# KiCad board M3DU_BoardV3_2.kicad_pcb (continued)
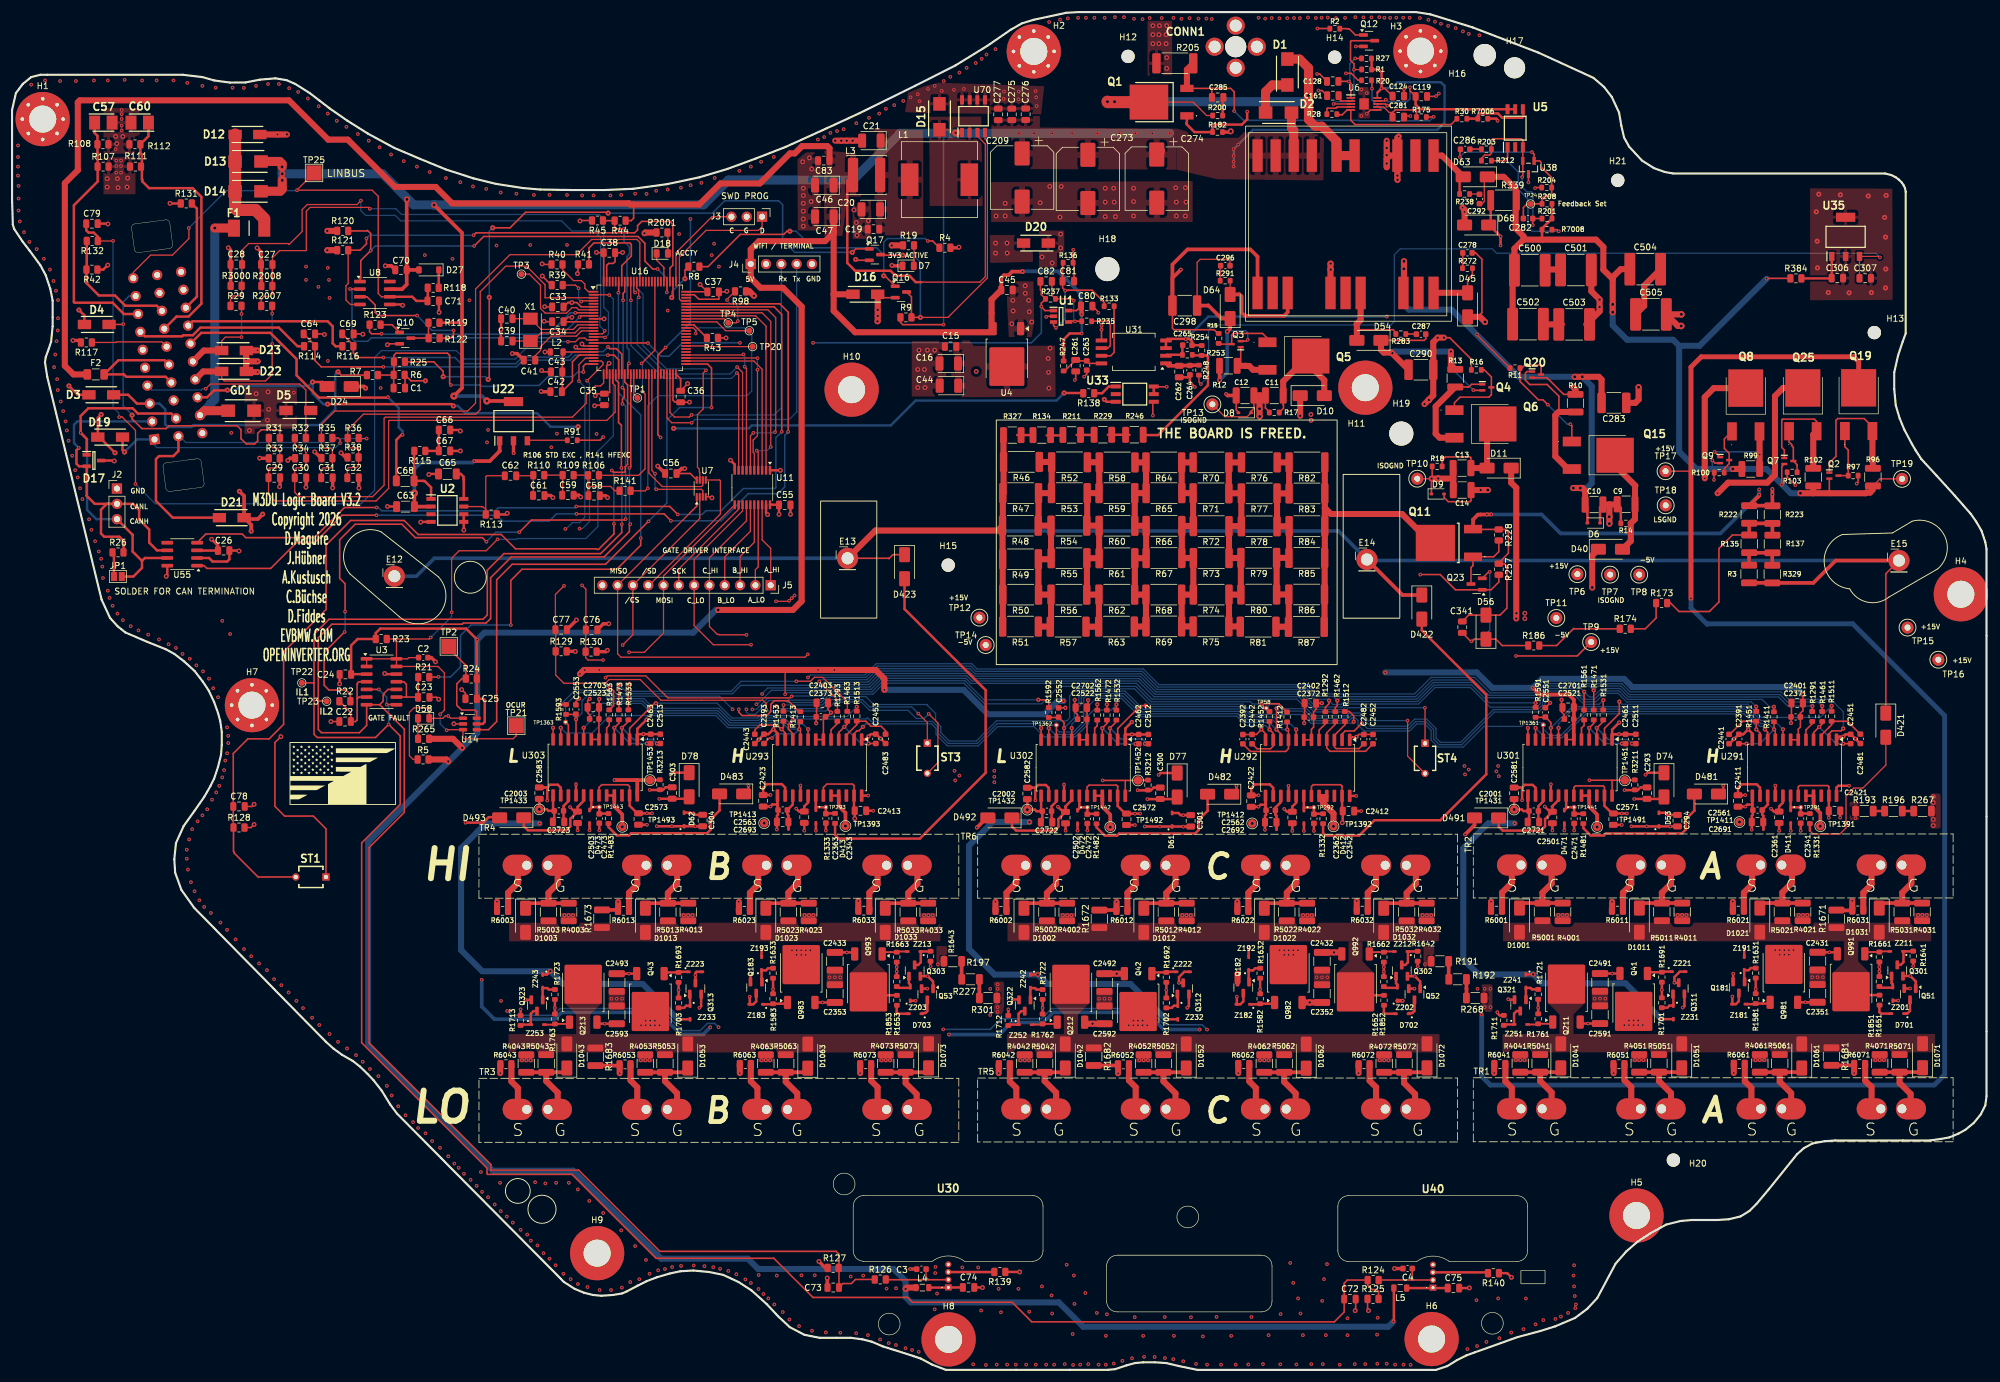
[diagram p0: board, top side]
## Routing (per net, layer and track width the routed paths; a pad name or vN(x,y) marks a point on that pad's centre or on a via; arc(x,y) is an arc through that point) (continued)
+12P: length 40.2
  Top w1.5: GD1.2 31.93,159.25 J1.22 ; v5(33.63,189.57) 36.79,189.57
  Bottom w1.5: v5(33.63,189.57) 33.63,161.12 32.87,160.36 32.87,160.19 J1.22
/ASC_L: length 384.1
  Top w0.25: 188.15,97.88 186.78,97.88 ; 184.71,97.84 U302.24 ; v2(180.95,97.87) 186.77,97.87 ; 268.92,97.9 267.55,97.9 ; 265.48,97.87 U301.24 ; v2(261.72,97.89) 267.54,97.89
  Top w0.4: 107.18,97.93 105.8,97.93
  Top w0.6: U303.24 103.74,97.89 103.71,97.92 v2(99.98,97.92) 105.79,97.92
  In2.Cu w0.25: v2(198.27,56.52) 199.29,55.5 237.77,55.5 239.12,56.85 239.12,87.81 250.5,99.19 260.43,99.19 v2(261.72,97.89) ; v2(82.15,59.6) 81.52,59.6 72.77,68.35 72.77,89.59 82.09,98.91 98.98,98.91 v2(99.98,97.92) ; v2(180.95,97.87) 179.88,98.93 167.97,98.93 157.1,88.06 157.1,59.13 v2(154.51,56.54) 152.99,55.02 119.1,55.02 v2(117.22,56.9)
  Bottom w0.25: v2(117.22,56.9) 116.6,57.52 115.36,57.52 114.16,56.33 111.21,56.33 107.55,59.99 90.91,59.99 89.78,58.87 82.88,58.87 v2(82.15,59.6) ; v2(154.51,56.54) 162.31,56.54 164.08,58.31 170.81,58.31 172.5,59.99 188.5,59.99 191.19,57.3 197.49,57.3 v2(198.27,56.52)
/CANH: length 60.9
  Top w0.4: 21.56,134.31 20,135.86 20,138.64 20.01,138.64 J2.3 ; 21.56,134.31 21.56,133.15 20.13,131.72 JP1.2 ; 21.56,134.31 22.04,134.79 U55.7 ; D17.1 12.38,154.57 v2(11.38,155.57) 11.38,158.37 12.66,159.65 20.01,159.65 20.88,158.77 26.42,158.77 J1.12
  Bottom w0.4: v2(11.38,155.57) 12.46,154.5 12.46,142.77 13.99,141.24 J2.3
/CANL: length 59.4
  Top w0.4: U55.6 24.04,136.06 22.75,137.35 22.75,139.52 21.08,141.2 21.08,142.75 20.05,143.78 J2.2 ; J2.2 13.72,143.78 12.36,145.15 12.38,145.17 D17.2 11.11,150.02 10.68,150.45 10.68,152.67 v2(11.08,153.07) ; J2.2 15.72,143.78 14.76,142.82 14.76,138.85 15.28,138.32 17.81,138.32 18.49,137.63 R26.2
  Bottom w0.4: 23.23,157.47 10.83,157.47 10.28,156.92 10.28,153.87 v2(11.08,153.07)
/GATE_CS: length 310.4
  Top w0.2: v3(262.43,112.83) 262.44,112.83 ; v3(300.33,110.21) 300.33,110.01 ; R1463.2 138.58,110.9 134.49,114.99 133.12,114.99 132.46,114.33 v2(130.13,114.33) ; U7.2 114.11,141.37 J5.10 103.01,122.05 v2(101.31,120.35)
  Top w0.25: v3(219.89,111.12) 219.89,110.31 219.56,109.98 R1462.2 ; 262.44,112.83 R1471.2 ; v3(100.69,113.77) R1473.2 ; 300.33,110.01 R1461.2 ; 181.66,110.39 181.66,109.54
  In1.Cu w0.2: v3(100.69,113.77) 100.71,113.79 100.71,115.02 101.31,115.62 v2(101.31,120.35)
  In1.Cu w0.25: v3(181.66,110.49) 182.34,111.16 202.42,111.16 205.4,108.19 217.43,108.19 219.89,110.64 v3(219.89,111.12)
  Bottom w0.2: v3(300.33,110.21) 299.66,110.89 294.58,110.89 293.35,112.11 268.37,112.11 266.96,113.53 263.13,113.53 v3(262.43,112.83) 261.73,113.53 254.63,113.53 253.11,112.01 245.01,112.01 242.5,114.52 235.63,114.52 232.88,111.77 220.53,111.77 v3(219.89,111.12) 219.2,111.82 216.19,111.82 214.64,113.37 190.13,113.37 187.53,115.97 159.94,115.97 159.08,116.84 143.54,116.84 141.68,114.98 133.12,114.98 132.46,114.33 v2(130.13,114.33) 120.98,114.33 119.31,112.66 101.8,112.66 v3(100.69,113.77)
/GATE_DIAG: length 287.6
  Top w0.2: R5.2 66.56,101.35 65.93,101.97 65.93,109.17 66.68,109.92 69.01,109.92 69.26,109.67 69.22,109.63 D58.1 71.48,108.17 71.88,108.57 v2(72.38,108.57) 72.76,108.2 U14.1
  Top w0.25: v3(129.54,107.87) 128.83,107.16 128.83,106.4 128.8,106.37 129.54,105.64 U293.10 ; U302.10 TP1362.1 ; U303.10 92.31,107.09 TP1363.1 ; v3(290.83,106.34) 291.29,105.88 U291.10 ; v3(209.81,109.83) 209.81,106.35 v3(209.78,106.32) 210.52,105.59 210.52,104.6 ; U301.10 TP1361.1
  In1.Cu w0.2: TP1363.1 89.58,107.54 88.93,108.2 72.76,108.2 v2(72.38,108.57)
  Bottom w0.2: v3(290.83,106.34) 290.83,106.55 290.55,106.83 290.02,106.83 287.54,109.31 260.97,109.31 256.99,105.33 255.14,105.33 254.05,106.41 TP1361.1 253.65,107.49 251.15,107.49 250.5,106.83 244.21,106.83 240.79,103.4 236.63,103.4 235.46,104.57 235.46,106.16 234.39,107.23 233.03,107.23 231.88,106.07 224.33,106.07 223.33,107.08 223.33,107.79 222.88,108.24 222.34,108.24 221.87,107.77 215.65,107.77 214.05,109.37 210.26,109.37 v3(209.81,109.83) ; v3(209.78,106.32) 208.6,107.51 204.84,107.51 203.41,108.93 188.79,108.93 188.69,108.84 187.33,108.84 184.28,111.88 178.16,111.88 177.8,111.52 177.8,107.62 176.08,105.89 173.77,105.89 173.28,106.39 TP1362.1 172.65,107.06 172.42,107.29 163.43,107.29 160.15,104.01 155.35,104.01 153.7,105.66 153.7,106.68 152.71,107.67 142.55,107.67 141.94,108.28 141.73,108.08 129.74,108.08 v3(129.54,107.87) 129.26,107.59 128.83,107.59 128.19,108.22 124.26,108.22 123.86,107.83 119.29,107.83 117.27,109.84 106.45,109.84 104.84,111.46 99.47,111.46 98.48,112.45 93.91,112.45 91.85,110.39 TP1363.1
/GATE_SD: length 258.8
  Top w0.2: U7.5 117.39,147.75 117.53,147.61 117.53,146.86 117.53,146.86 117.53,142.11 105.7,130.27 ; 289.41,110.08 v3(289.38,110.11)
  Top w0.25: v3(289.38,110.11) 289.38,109.36 ; R1451.2 289.41,110.08 ; v2(127.99,110.39) R1453.2 ; 208.59,109.31 208.05,109.84
  In1.Cu w0.2: J5.9 105.55,131.67 106.83,132.95 126.91,132.95 127.67,132.18 127.67,110.71 v2(127.99,110.39)
  Bottom w0.2: v3(289.38,110.11) 288.58,110.91 267.88,110.91 266.46,112.33 264.2,112.33 262.78,110.91 260.98,110.91 260.18,111.71 260.18,111.71 259.57,112.33 255.19,112.33 253.94,111.08 253.94,110.42 253.14,109.62 245.79,109.62 240.37,104.2 236.97,104.2 236.27,104.9 236.27,106.48 234.72,108.03 232.7,108.03 231.56,106.88 225.38,106.88 223.62,108.64 222.17,108.64 221.71,108.19 215.81,108.19 214.22,109.77 210.93,109.77 210.22,110.48 208.7,110.48 TP58.1 204.87,109.88 204.21,110.53 188.78,110.53 186.23,113.08 176.66,113.08 175.46,111.89 175.46,108.19 175.03,107.76 163.33,107.76 159.98,104.41 155.51,104.41 154.1,105.83 154.1,106.85 153.24,107.7 153.24,108.97 151.84,110.36 151.84,110.46 142.98,110.46 141.66,111.78 135.81,111.78 134.43,110.4 128,110.4 v2(127.99,110.39)
/GATE_SPI_MISO: length 253.4
  Top w0.2: 112.45,142.25 J5.11 100.47,118.88 101.03,118.32 131.56,118.32 v2(132.03,118.8)
  Top w0.25: v3(303.84,106.48) 303.46,106.1 301.96,106.1 301.45,105.59 U291.2 ; U7.1 113.61,143.41 112.45,142.25
  In1.Cu w0.2: v2(132.03,118.8) 132.03,114.99 v2(132.06,114.96)
  Bottom w0.2: v2(132.06,114.96) 132.48,115.38 141.51,115.38 143.37,117.24 159.24,117.24 160.11,116.37 187.69,116.37 190.3,113.77 214.81,113.77 216.36,112.22 232.69,112.22 235.45,114.97 242.69,114.97 245.25,112.41 252.87,112.41 254.39,113.93 267.13,113.93 268.49,112.56 293.53,112.56 294.76,111.34 301.76,111.34 303.84,109.26 v3(303.84,106.48)
/GATE_SPI_MOSI: length 42.9
  Top w0.2: v2(102.38,119.15) 104.91,119.15 108.09,122.33 J5.8 108.09,131.82 119.91,143.63
  Top w0.25: R1533.2 102.26,113.73 v3(102.43,113.9)
  In1.Cu w0.2: v2(102.38,119.15) 102.38,113.95 v3(102.43,113.9)
/GATE_SPI_SCK: length 312.8
  Top w0.2: 298.68,110.03 298.71,110.06 v3(298.71,110.21) ; U11.12 120.56,142.9 110.63,132.97 J5.7 ; v2(133.94,114.31) 133.94,114.26 136.93,111.26 R1293.2
  Top w0.25: v3(218.52,111.12) 218.52,110.62 217.91,110.01 R1292.2 ; v3(99.23,113.3) 99.8,112.73 99.8,110.3 R1563.2 ; R1561.2 260.83,112.57 v3(260.85,112.59) ; 298.68,110.03 R1291.2 ; 180.06,110.39 180.06,109.54
  In1.Cu w0.2: J5.7 110.63,127.62 109.63,126.62 101.16,126.62 100.46,125.92 100.46,118.1 99.11,116.75 99.11,116.6 99.23,116.47 v3(99.23,113.3)
  In1.Cu w0.25: v3(180.06,110.49) 181.21,111.63 202.67,111.63 205.67,108.64 216.56,108.64 218.52,110.59 v3(218.52,111.12)
  Bottom w0.2: v3(298.71,110.21) 294.62,110.21 293.11,111.71 268.21,111.71 266.79,113.13 263.72,113.13 262.31,111.71 261.72,111.71 v3(260.85,112.59) 260.3,113.13 254.86,113.13 253.34,111.61 244.85,111.61 242.33,114.12 235.8,114.12 233.04,111.37 221.43,111.37 220.53,110.47 219.17,110.47 v3(218.52,111.12) 218.3,111.34 216.1,111.34 214.48,112.97 189.97,112.97 187.36,115.57 159.78,115.57 158.93,116.42 143.69,116.42 141.85,114.58 134.2,114.58 v2(133.94,114.31) 133.28,113.65 120.91,113.65 119.51,112.26 100.27,112.26 v3(99.23,113.3)
/HV+: length 388.1
  Top w0.25: D423.1 146.16,135.35 145.51,134.7 145.46,134.75 E13.1 ; D421.1 310.9,132.19 E15.1
  Top w0.6: R329.2 298.87,130.66 302.58,134.37 E15.1 ; R3.2 292.04,130.67 ; E14.1 230.71,128.64 D422.1
  Top w1: 164.39,140.21 R47.2 164.52,145.69 R46.2 ; R327.1 164.49,150.76 ; E13.1 143.23,139.35 163.53,139.35 R48.2 164.34,134.61 ; R50.2 164.39,123.44 ; R49.2 164.37,128.74
  Bottom w0.6: E15.1 224.98,134.37 ; E14.1 220.08,139.27 143.16,139.27 E13.1 70.06,134.75 67.08,131.77 E12.1
/LIN_BUS: length 79.7
  Top w0.2: J1.10 20.12,182.2 22.98,185.07 26.6,185.07 29.34,187.81 29.34,189.53 v2(29.31,189.56) ; U8.6 61.36,178.15 61.36,178.15 61.31,178.15 60.76,178.7 60.76,194.85 59.76,195.85 v2(47.28,195.85) 47.28,195.89 TP25.1
  Top w0.4: U8.6 66.4,178.15 67.08,177.47 C71.1 ; R118.2 68.97,177.51
  Bottom w0.2: v2(29.31,189.56) 35.52,195.77 47.21,195.77 v2(47.28,195.85)
/PWMA_HI: length 215.6
  Top w0.2: J5.1 125.87,136.38 124.46,137.8 U11.18
  Top w0.25: v3(292.33,110.08) 292.33,109.26
  In1.Cu w0.2: v2(123.51,110.52) 123.61,110.52 125.87,112.78 J5.1
  Bottom w0.2: v2(123.51,110.52) 123.68,110.52 125.99,112.83 133.94,112.83 134.89,113.78 142.18,113.78 144.02,115.62 158.6,115.62 159.45,114.77 187.03,114.77 189.64,112.17 213.66,112.17 216.18,109.64 220.83,109.64 221.76,110.57 233.37,110.57 236.11,113.3 241.67,113.3 241.68,113.28 242.01,113.28 245.27,110.02 252.98,110.02 253.54,110.59 253.54,111.24 255.03,112.73 259.73,112.73 261.15,111.31 262.55,111.31 263.96,112.73 266.63,112.73 268.04,111.31 290.39,111.31 291.62,110.08 v3(292.33,110.08)
/PWMA_LO: length 168
  Top w0.2: 123.81,143.63 123.81,133.32 123.33,132.85 J5.2
  Top w0.25: v3(252.78,110.74) R1591.2
  In1.Cu w0.2: v2(124.46,112.22) 123.33,113.35 J5.2
  Bottom w0.2: v3(252.78,110.74) 245.11,110.74 242.16,113.7 235.94,113.7 233.21,110.97 221.59,110.97 220.67,110.04 216.35,110.04 213.82,112.57 189.8,112.57 187.19,115.17 159.61,115.17 158.77,116.02 143.85,116.02 142.01,114.18 134.72,114.18 133.77,113.23 125.39,113.23 124.46,112.29 v2(124.46,112.22)
/PWMB_HI: length 48.2
  Top w0.2: J5.3 120.79,135.03 123.16,137.4 U11.16
  Top w0.25: v2(120.58,109.68) 120.58,109.19 121.13,108.64 125.22,108.64 125.88,109.3 125.88,110.49 126.49,111.1 128.76,111.1 130.58,109.28
  In1.Cu w0.2: v2(120.58,109.68) 120.79,109.89 J5.3
/PWMB_LO: length 68
  Top w0.2: U11.15 122.51,139.22 118.25,134.97 J5.4
  Top w0.25: v3(91.04,110.48) R1593.2
  In1.Cu w0.2: J5.4 118.25,110.99 v2(119.56,109.68)
  Bottom w0.2: v2(119.56,109.68) 117.38,111.86 99.64,111.86 98.64,112.85 93.41,112.85 v3(91.04,110.48)
/PWMC_HI: length 139
  Top w0.2: v2(121.86,122.05) 117.33,122.05 117.26,122.12 117.01,122.12 115.71,123.42 J5.5 115.71,134.83 121.86,140.97 U11.14
  Top w0.25: v3(207.34,110.57) 207.38,110.61 210.18,110.61 R1412.2
  In1.Cu w0.2: v2(121.86,122.05) 121.86,109.68 v2(121.85,109.67)
  Bottom w0.2: v2(121.85,109.67) 121.85,109.19 122.2,108.84 123.32,108.84 125.61,111.12 128.32,111.12 128.64,110.8 134.27,110.8 135.64,112.18 142.84,112.18 144.68,114.02 157.94,114.02 161.38,110.58 170.8,110.58 173.71,113.48 186.46,113.48 189,110.93 205.48,110.93 205.84,110.57 v3(207.34,110.57)
/PWMC_LO: length 98.7
  Top w0.2: v2(122.61,120.4) 116.36,120.4 113.17,123.58 J5.6 113.17,134.56 121.21,142.6 U11.13
  Top w0.25: v3(170.28,111.25) 171.48,111.25 172.01,110.72 R1592.2
  In1.Cu w0.2: v2(122.61,120.4) 122.61,109.88 v2(122.84,109.65)
  Bottom w0.2: v3(170.28,111.25) 161.27,111.25 158.1,114.42 144.51,114.42 142.67,112.58 135.48,112.58 134.1,111.2 128.95,111.2 128.58,111.57 125.42,111.57 123.5,109.65 v2(122.84,109.65)
/SDI_A: length 54.7
  Top w0.25: R1531.2 264.01,111.18 v3(264.03,111.2) ; 220.68,104.6 220.68,105.56 221.18,106.07 222.68,106.07 v3(223.98,107.37)
  Bottom w0.2: v3(264.03,111.2) 263.35,110.51 260.81,110.51 259.78,111.54 259.78,111.55 259.4,111.93 255.36,111.93 254.34,110.91 254.34,110.25 253.31,109.22 245.96,109.22 240.54,103.8 236.81,103.8 235.87,104.74 235.87,106.31 234.56,107.63 232.87,107.63 231.73,106.48 224.86,106.48 v3(223.98,107.37)
/SDI_C: length 53.2
  Top w0.25: U293.2 139.7,105.61 140.21,106.12 140.54,106.12 v3(141.17,106.76) ; 183.24,110.39 183.24,109.54
  Bottom w0.2: 183.24,110.39 182.4,109.55 179.48,109.55 178.6,108.68 178.6,107.29 176.41,105.09 171.28,105.09 169.57,106.8 163.5,106.8 160.31,103.61 155.18,103.61 153.3,105.5 153.3,106.51 152.54,107.27 141.69,107.27 v3(141.17,106.76)
  vias: v3(183.24,110.49)
/VH_HS_A: length 165.2
  Top w0.4: 296.27,61.03 C2351.1 ; v2(291.85,93.17) 292.33,92.68 293.18,92.68 ; U291.17 293.83,94.18 293.19,93.55 C2361.1 ; Q181.2 285.56,65.78 ; R1581.2 v2(289.31,63.25) R1631.1
  Top w1: D40.1 262.18,135.22 v5(262.18,129.9)
  In1.Cu w0.2: TP6.1 259.72,130.61 260.43,129.9 v5(262.18,129.9)
  In1.Cu w1: v5(262.18,129.9) 262.18,128.5 273.36,117.32 302.41,117.32 310.57,109.17 310.57,98.9 306.91,95.25 293.93,95.25 v2(291.85,93.17) 288.22,96.8 286.56,96.8 285.24,95.48 285.24,81.03 284.13,79.91 284.13,67.23 v2(285.57,65.79) 286.77,65.79 v2(289.31,63.25) 295.33,63.25 v2(297.54,61.04)
/VH_HS_B: length 205.8
  Top w0.4: C2353.1 v2(134.5,61.01) 133.23,61.01 ; 131.44,92.71 130.58,92.71 v2(130.1,93.19) ; v2(122.53,65.76) 122.52,65.75 Q183.2 ; U293.17 132.08,94.21 131.45,93.57 C2363.1 ; R1583.2 v2(126.26,63.22) R1633.1
  Top w1: v1(213.73,158.4) D10.1
  In1.Cu w1: v2(134.49,61.01) 134.49,61.75 133.02,63.22 v2(126.26,63.22) 125.07,63.22 v2(122.53,65.76) 122.53,67.49 119.58,70.44 119.58,78.71 119.83,78.96 119.83,92.45 124.03,96.65 126.64,96.65 v2(130.1,93.19) 132.08,95.17 138.61,95.17 142.95,90.83 151.74,90.83 158.68,97.76 158.68,123.04 160.54,124.9 190.36,124.9 213.72,148.26 213.72,158.38 v1(213.73,158.4)
/VH_HS_C: length 170.6
  Top w0.25: v2(249.53,118.54) 259.7,118.54 TP9.1
  Top w0.4: 212.41,92.66 211.56,92.66 v2(211.08,93.14) ; U292.17 213.06,94.16 212.42,93.52 C2362.1 ; R1632.1 v2(207.09,63.22) R1582.2
  Top w1: v2(203.35,65.76) 203.34,65.75 Q182.2 ; C2352.1 215.32,61.01 v1(215.32,61.01) 215.32,61.01 214.05,61.01 ; v1(249.58,124.75) 249.58,146.45 248.73,147.3 D11.1
  In1.Cu w1: v1(215.32,61.01) 213.11,63.22 v2(207.09,63.22) 205.89,63.22 v2(203.35,65.76) 202.13,66.98 202.13,78.89 202.83,79.59 202.83,93.89 205.61,96.67 207.54,96.67 v2(211.08,93.14) 212.65,94.72 218.97,94.72 221.97,91.72 236.09,91.72 243.44,99.06 243.44,112.29 249.58,118.44 249.58,124.74 v1(249.58,124.75) v1(249.61,125.62) 249.61,125.58
  In2.Cu w0.2: 249.55,124.71 v1(249.58,124.75)
/VH_LS: length 284.9
  Top w0.25: D491.2 242.65,90.68
  Top w0.4: v2(75.24,90.86) 78.18,90.86 79.1,91.77 80.81,91.77
  Top w0.6: 161.65,91.59 160.1,90.04 v2(160.07,90.04) ; 242.65,90.68 242.65,90.46 v2(241.1,88.9)
  In2.Cu w0.6: v2(197.05,56.52) 198.7,54.87 238.37,54.87 238.38,54.87 238.41,54.87 239,55.46 239.01,55.46 239.78,56.23 239.78,87.58 v2(241.1,88.9) ; v2(77.93,64.77) 73.46,69.24 73.46,89.03 75.24,90.81 v2(75.24,90.86) ; v2(115.85,56.9) 118.36,54.39 154.16,54.39 v2(155.45,55.68) 157.73,57.95 157.73,87.7 v2(160.07,90.04)
  Bottom w0.6: v2(155.45,55.68) 163.83,55.68 165.84,57.68 171.07,57.68 172.76,59.37 188.24,59.37 191.09,56.52 v2(197.05,56.52) ; v2(115.85,56.9) 114.66,55.7 110.96,55.7 107.29,59.37 91.17,59.37 90.04,58.24 80.01,58.24 77.93,60.32 v2(77.93,64.77)
/VH_LS_A: length 123.1
  Top w0.4: v2(277.19,60.15) 277.48,60.44 Q311.2 ; 256.59,94.62 255.5,93.52 255.58,93.45 C2501.1 254.36,91.45 254.36,90.22 253.67,89.53 247.35,89.53 246.65,90.23 D491.1 ; 266.77,65.81 265.51,65.81 v2(265.51,65.81) 265.51,65.81 C2491.1 ; v2(254.31,93.52) 255.16,92.67 ; v2(271.02,98.81) 271.34,99.13 D74.1 ; R1691.2 v2(273.74,63.09) R1701.1
  In1.Cu w1: v2(271.02,98.81) 271.02,98.2 267.87,95.05 255.83,95.05 v2(254.31,93.52) 251.97,95.86 250.17,95.86 241.23,86.92 241.23,69.19 243.46,66.95 264.36,66.95 v2(265.51,65.81) 268.23,63.09 v2(273.74,63.09) 275.77,63.09 277.19,61.67 v2(277.19,60.15)
/VH_LS_A_PRI: length 342
  Top w0.2: 278.57,149.15 278.52,149.2 TP17.1
  Top w0.4: v2(269.14,94.79) 273.76,94.79
  Top w0.8: Q19.2 306.39,167.36 305.56,168.2 280.28,168.2 278.57,166.48 v2(278.57,128.1)
  In1.Cu w0.8: v2(243.16,63.27) 243.16,59.69 v2(243.84,59)
  In2.Cu w1: v2(269.14,94.79) 266.55,94.79 265.48,95.86 248.49,95.86 246.25,93.62 246.25,92.35 240.82,86.92 240.82,65.61 v2(243.16,63.27)
  Bottom w0.8: v2(278.57,128.1) 278.57,126.48 281.26,123.8 281.33,123.87 305.41,123.87 320.66,108.62 320.66,49.02 318.93,47.3 245.28,47.3 243.84,48.74 v2(243.84,59)
/VH_LS_B: length 129
  Top w0.4: C2493.1 102.36,65.79 v2(102.36,65.79) 102.37,65.79 103.63,65.79 ; R1693.2 v2(110.59,63.07) R1703.1 ; v2(92.58,93.45) 93.34,92.69 ; U303.17 94.85,94.49 93.83,93.47 93.83,92.69 92.64,91.5 92.64,90.24 91.98,89.59 85.6,89.59 84.91,90.28 D493.1 ; Q313.2 114.34,60.41 v2(114.05,60.12) ; v2(109.27,98.83) 109.6,99.15 D78.1
  In1.Cu w1: v2(109.27,98.83) 109.27,98.2 106.07,95 94.13,95 v2(92.58,93.45) 92.58,93.52 89.69,96.42 85.29,96.42 75.95,87.07 75.95,70.66 78.28,68.33 99.82,68.33 v2(102.36,65.79) 105.08,63.07 v2(110.59,63.07) 112.5,63.07 114.05,61.52 v2(114.05,60.12)
/VH_LS_B_PRI: length 490.3
  Top w0.4: v2(107.39,94.82) 112.01,94.82
  Top w1: v2(282.98,145.55) 284.73,147.3 291.21,147.3 292.51,148.6 292.51,161.67 293.86,163.02 Q25.2
  In1.Cu w0.2: 313.8,119.74 312.35,121.19 312.45,121.19 TP15.1
  In1.Cu w1: v2(81.13,61.26) 81.13,56.94 78.43,54.25 78.43,53.7 78.61,53.52 78.61,47.1 79.28,46.42 319.63,46.42 323.38,50.17 323.38,110.16 305.42,128.12 285.31,128.12 282.98,130.45 v2(282.98,145.55)
  In2.Cu w1: v2(107.39,94.82) 104.85,94.82 103.81,95.86 82.83,95.86 74.55,87.58 74.55,70.13 81.13,63.55 v2(81.13,61.26)
/VH_LS_C: length 125.2
  Top w0.4: D492.1 165.91,90.23 166.6,89.53 172.98,89.53 173.61,90.17 173.61,91.47 174.79,92.64 ; v2(194.97,60.12) 195.26,60.41 Q312.2 ; 183.29,65.79 v1(183.29,65.79) 183.29,65.79 ; D77.1 190.57,99.1 v2(190.25,98.78) ; C2502.1 174.8,93.42 174.73,93.5 175.82,94.59 ; v2(173.53,93.5) 174.39,92.64 ; R1702.1 v2(191.52,63.07) R1692.2
  Top w1: C2492.1 183.29,65.79 ; 183.29,65.79 184.55,65.79
  In1.Cu w1: v2(190.25,98.78) 190.25,98.17 187.17,95.1 175.13,95.1 v2(173.53,93.5) 171.38,95.66 167.62,95.66 158.73,86.77 158.73,70 162.51,66.22 167.49,66.22 168.3,67.03 182.04,67.03 v1(183.29,65.79) 186.01,63.07 v2(191.52,63.07) 193.83,63.07 194.97,61.93 v2(194.97,60.12)
/VH_LS_C_PRI: length 399.8
  Top w0.4: v2(188.37,94.77) 192.98,94.77
  Top w1: v2(280.86,148.02) 280.86,161.5 282.35,162.99 Q8.2
  In1.Cu w1: v2(162.31,63.27) v2(162.31,58.93)
  In2.Cu w0.2: 319.66,113.72 317.59,115.79 317.59,115.89 TP16.1
  In2.Cu w1: v2(280.86,148.02) 279.45,146.62 279.45,129.64 281.89,127.2 281.92,127.2 281.93,127.22 306.16,127.22 323.48,109.9 323.48,51.77 323.13,51.42 323.13,50.07 319.58,46.52 163.48,46.52 162.31,47.69 v2(162.31,58.93) ; v2(162.31,63.27) 158.8,66.78 158.8,87.08 167.5,95.78 184.94,95.78 185.95,94.77 v2(188.37,94.77)
/VL_HS_A: length 280.8
  Top w0.25: R11.2 243.06,171.82 v2(243.06,171.9) ; U291.19 296.37,96.8 296.58,97.01 301.25,97.01 301.45,96.81 301.45,96.81 U291.23
  Top w0.4: R1661.1 v2(309.83,66.9) v2(309.83,66.17) R1651.2 ; Q51.1 315.86,64.51 v2(314.96,65.41) Q301.2 ; D6.2 261.38,143.3 ; 302.6,69.34 301.55,69.34 v2(301.55,69.34) 301.55,69.34 C2431.2 ; v2(301.44,91.66) C2421.1 ; U291.23 301.45,92.82 ; v2(287.58,95.43) 286.39,95.43 ; C2411.1 286.38,96.64 286.97,97.23 289.46,97.23 290.02,96.67 U291.14
  Top w1: v5(230.96,184.05) 230.96,178.9 ; v5(259.06,146.4) 259.08,146.42 260.18,146.42 v5(260.21,146.4) 260.23,146.42 260.53,146.42 261.01,145.95 C10.1 ; v5(259.28,164.87) v5(260.53,164.87) 263.28,164.87 263.73,164.42 C283.2
  In1.Cu w0.2: 265.93,127.9 265.93,128 269.95,132.03
  In1.Cu w1: v2(301.44,91.66) 301.43,91.67 291.34,91.67 v2(287.58,95.43) ; v2(301.44,91.66) 303.07,90.02 303.07,77.24 301.55,75.72 v2(301.55,69.34) 304.34,66.55 313.82,66.55 v2(314.96,65.41) ; v2(301.44,91.66) 302.76,92.98 306.8,92.98 312.07,98.25 312.07,109.83 303.23,118.67 275.16,118.67 262.15,131.67 262.15,134.47 259.06,137.57 v5(259.06,146.4)
  Bottom w1: v5(230.96,184.05) 230.93,184.02 v5(230.93,182.8) 230.93,176.87 231.78,176.02 238.86,176.02 250.01,164.87 v5(260.53,164.87) 262.11,163.3 262.11,147.2 261.31,146.4 v5(259.06,146.4)
/VL_HS_B: length 304.9
  Top w0.25: 203.48,159 203.11,159.37 C12.1 ; U293.23 139.7,97.01 139.7,97.01 139.45,97.26 135.18,97.26 134.62,96.7 U293.19 ; C298.2 192.53,172.95 192.78,172.7 199.46,172.7 200.08,172.07
  Top w0.4: U293.14 128.27,96.7 127.71,97.25 125.22,97.25 124.63,96.66 C2423.1 ; Q303.2 v2(151.92,65.38) 152.82,64.48 Q53.1 ; C2433.2 138.51,69.32 v2(138.51,69.32) 138.51,69.32 139.55,69.32 ; R1663.1 v2(146.79,66.88) v2(146.79,66.14) R1853.2 ; C2413.1 139.82,91.55 v1(139.83,91.54) ; v2(125.83,95.45) 124.64,95.45 ; 139.7,92.95 U293.23
  Top w0.6: v2(193.93,182.67) 192.53,181.27 C298.2 192.53,183.52 195.03,186.02 205.46,186.02 206.66,184.82 T1.10 ; v2(201.43,162.02) 201.68,161.77 C12.1
  In1.Cu w1: v2(151.92,65.38) 150.78,66.52 141.3,66.52 v2(138.51,69.32) 138.51,77.55 139.83,78.87 v1(139.83,91.54) 139.55,91.82 129.46,91.82 v2(125.83,95.45) ; v1(215.51,158.62) 215.53,158.6 v1(215.53,157.65) 215.53,148.02 190.98,123.47 164.97,123.47 161.39,119.89 161.39,97.87 152.55,89.03 139.83,89.03
  In2.Cu w0.6: v2(201.43,162.02) 201.93,162.52 201.96,162.52 201.96,162.55 202.68,163.27 202.68,181.15 201.23,182.6 194.01,182.6 v2(193.93,182.67)
  In2.Cu w1: v2(201.43,162.02) 201.63,162.22 214.63,162.22 215.53,161.32 v1(215.53,157.65)
/VL_HS_C: length 260.8
  Top w0.25: v1(237.58,171.37) 238.53,171.37 242.13,167.77 R16.2 ; U292.19 215.6,96.85 215.9,97.16 220.43,97.16 220.68,96.91 220.68,96.91 U292.23 ; D9.2 237.61,144.85 238.31,144.15 241.91,144.15 242.08,144.32 C14.1
  Top w0.4: R1662.1 v2(227.61,66.88) v2(227.61,66.14) R1652.2 ; Q52.1 233.64,64.48 v2(232.74,65.38) Q302.2 ; U292.14 209.25,96.65 208.69,97.21 206.2,97.21 205.6,96.61 C2422.1 ; 220.68,92.9 U292.23 ; C2412.1 220.79,90.92 v1(220.71,90.84) ; 219.33,69.32 v1(219.33,69.32) 219.33,69.32 ; v2(206.81,95.4) 205.62,95.4
  Top w1: C2432.2 219.33,69.32 ; T1.13 218.76,182.65 v1(218.78,182.67) 218.76,182.7 218.76,183.65 v1(218.78,183.67) ; v1(234.36,160.35) 235.03,161.02 v1(235.08,161.02) 235.08,161.07 235.81,161.8 C290.2 235.81,170.62 236.56,171.37 v1(237.58,171.37) ; v5(244.86,146.07) v1(243.68,146.07) C14.1 ; 219.33,69.32 220.38,69.32
  In1.Cu w1: 221.34,90.21 236.65,90.21 244.83,98.4 244.83,111.69 251,117.86 v1(251.01,124.72) v1(251.01,125.62) 251,125.58 ; 221.34,90.21 221.36,90.2 221.36,77.27 219.33,75.23 v1(219.33,69.32) 222.15,66.5 231.62,66.5 v2(232.74,65.38) ; 221.34,90.21 v1(220.71,90.84) 219.89,91.67 210.54,91.67 v2(206.81,95.4)
  In2.Cu w0.2: TP11.1 256.16,124.77 254.54,124.77 254.48,124.71 251.01,124.71 v1(251.01,124.72)
  In2.Cu w1: v1(218.78,183.67) 218.78,180.2 222.93,176.05 222.93,172.3 223.81,171.42 224.33,171.42 224.38,171.37 v1(236.53,171.37) v1(237.58,171.37) ; 243.66,146.1 243.66,160 242.56,161.1 235.11,161.1 v1(234.36,160.35) ; 243.66,146.1 v1(243.68,146.07) ; 243.66,146.1 249.33,146.1 251.01,144.42 v1(251.01,124.72)
ACCEL1: length 15.9
  Top w0.2: v2(38.08,171.46) 35.4,171.46 34.78,170.84 34.78,169.04 ; v2(38.08,175.31) 38.08,176.64
  Top w1: J1.25 31.82,169.24 34.58,169.24
  Bottom w0.2: v2(38.08,171.46) v2(38.08,175.31)
ACCEL2: length 26.4
  Top w0.2: D22.1 34.78,164.61 35.2,164.19 42.05,164.19 43.16,165.29 v2(43.16,170.33) ; v2(43.16,175.36) 43.16,176.64
  Top w1: J1.24 31.71,165.76 D22.1
  Bottom w0.2: v2(43.16,170.33) v2(43.16,175.36)
ACT_DISCH: length 157.5
  Top w0.4: R138.2 177.69,162.19 v4(174.55,162.19) ; D24.2 51.53,164.01 v4(49.88,164.01) ; v4(52.35,160.34) 72.93,160.34 v4(73.23,160.04) ; v4(35.73,162.66) 35.68,162.61 33.5,162.61 32.36,161.47 J1.23
  In1.Cu w0.4: v4(109.78,156.31) 109.5,156.59 v4(93.93,156.59)
  Bottom w0.4: v4(52.35,160.34) 51.63,160.34 49.88,162.09 v4(49.88,164.01) 49.2,163.34 37.8,163.34 37.13,162.66 v4(35.73,162.66) ; v4(73.23,160.04) 73.98,160.04 75.18,158.84 87.1,158.84 89.35,156.59 v4(93.93,156.59) ; v4(174.55,162.19) 173.3,160.94 149.93,160.94 145.8,156.8 122.75,156.8 122.25,156.31 v4(109.78,156.31)
BMS_IN: length 11.1
  Top w0.2: U16.65 116.94,174 118.42,172.52 TP5.1
BRAKE: length 58.8
  Top w0.2: v2(58.83,154.62) 57.6,154.62
  Top w0.4: J1.11 27.61,152.56 26.75,151.71 24.38,151.71 23.88,151.21 23.88,144.26 26.65,141.49 D21.1
  Bottom w0.2: 27.48,155.32 28.83,153.97 53.28,153.97 53.93,154.62 v2(58.83,154.62)
BRAKE_IN: length 77.9
  Top w0.2: U16.3 88.43,178 88.43,180.16 85.35,183.24 81.92,183.24 77.68,179 77.68,159.41 76.93,158.66 58.3,158.66 55.69,156.06 R36.1 55.69,153.42 56.03,153.08 57.28,153.08 57.49,152.87 R38.2 57.49,150.12 57.18,149.81 55.83,149.81 55.63,149.61 C32.1
CAN_RX: length 147.4
  Top w0.25: v2(93.61,143.35) 109.13,143.35 v2(110.46,142.02) ; v2(60.48,143.17) 55.16,143.17 50.16,138.17 38.78,138.17 38.18,138.78 32.15,138.78 U55.4 ; v2(127.71,155.75) 127.71,175.22 126.43,176.5 U16.70
  Bottom w0.25: v2(93.61,143.35) 93.38,143.12 80.63,143.12 80.13,142.62 61.33,142.62 60.78,143.17 v2(60.48,143.17) ; v2(127.71,155.75) 126.73,154.77 126.73,146.5 126.56,146.32 121.33,146.32 117.66,142.65 115.13,142.65 114.51,142.02 v2(110.46,142.02)